# Altium PCB LED fix910 RD 2000278 (4F00224A_7P00494A).PcbDoc (part 2 of 3)
Units mm, origin at the board's own origin, x right, y up, seen from the top; angles counter-clockwise.
Board outline 400 x 428 mm, 2 copper layers (Top Layer, Bottom Layer); 462 components, 214 nets, 1551 pads, 0 vias.
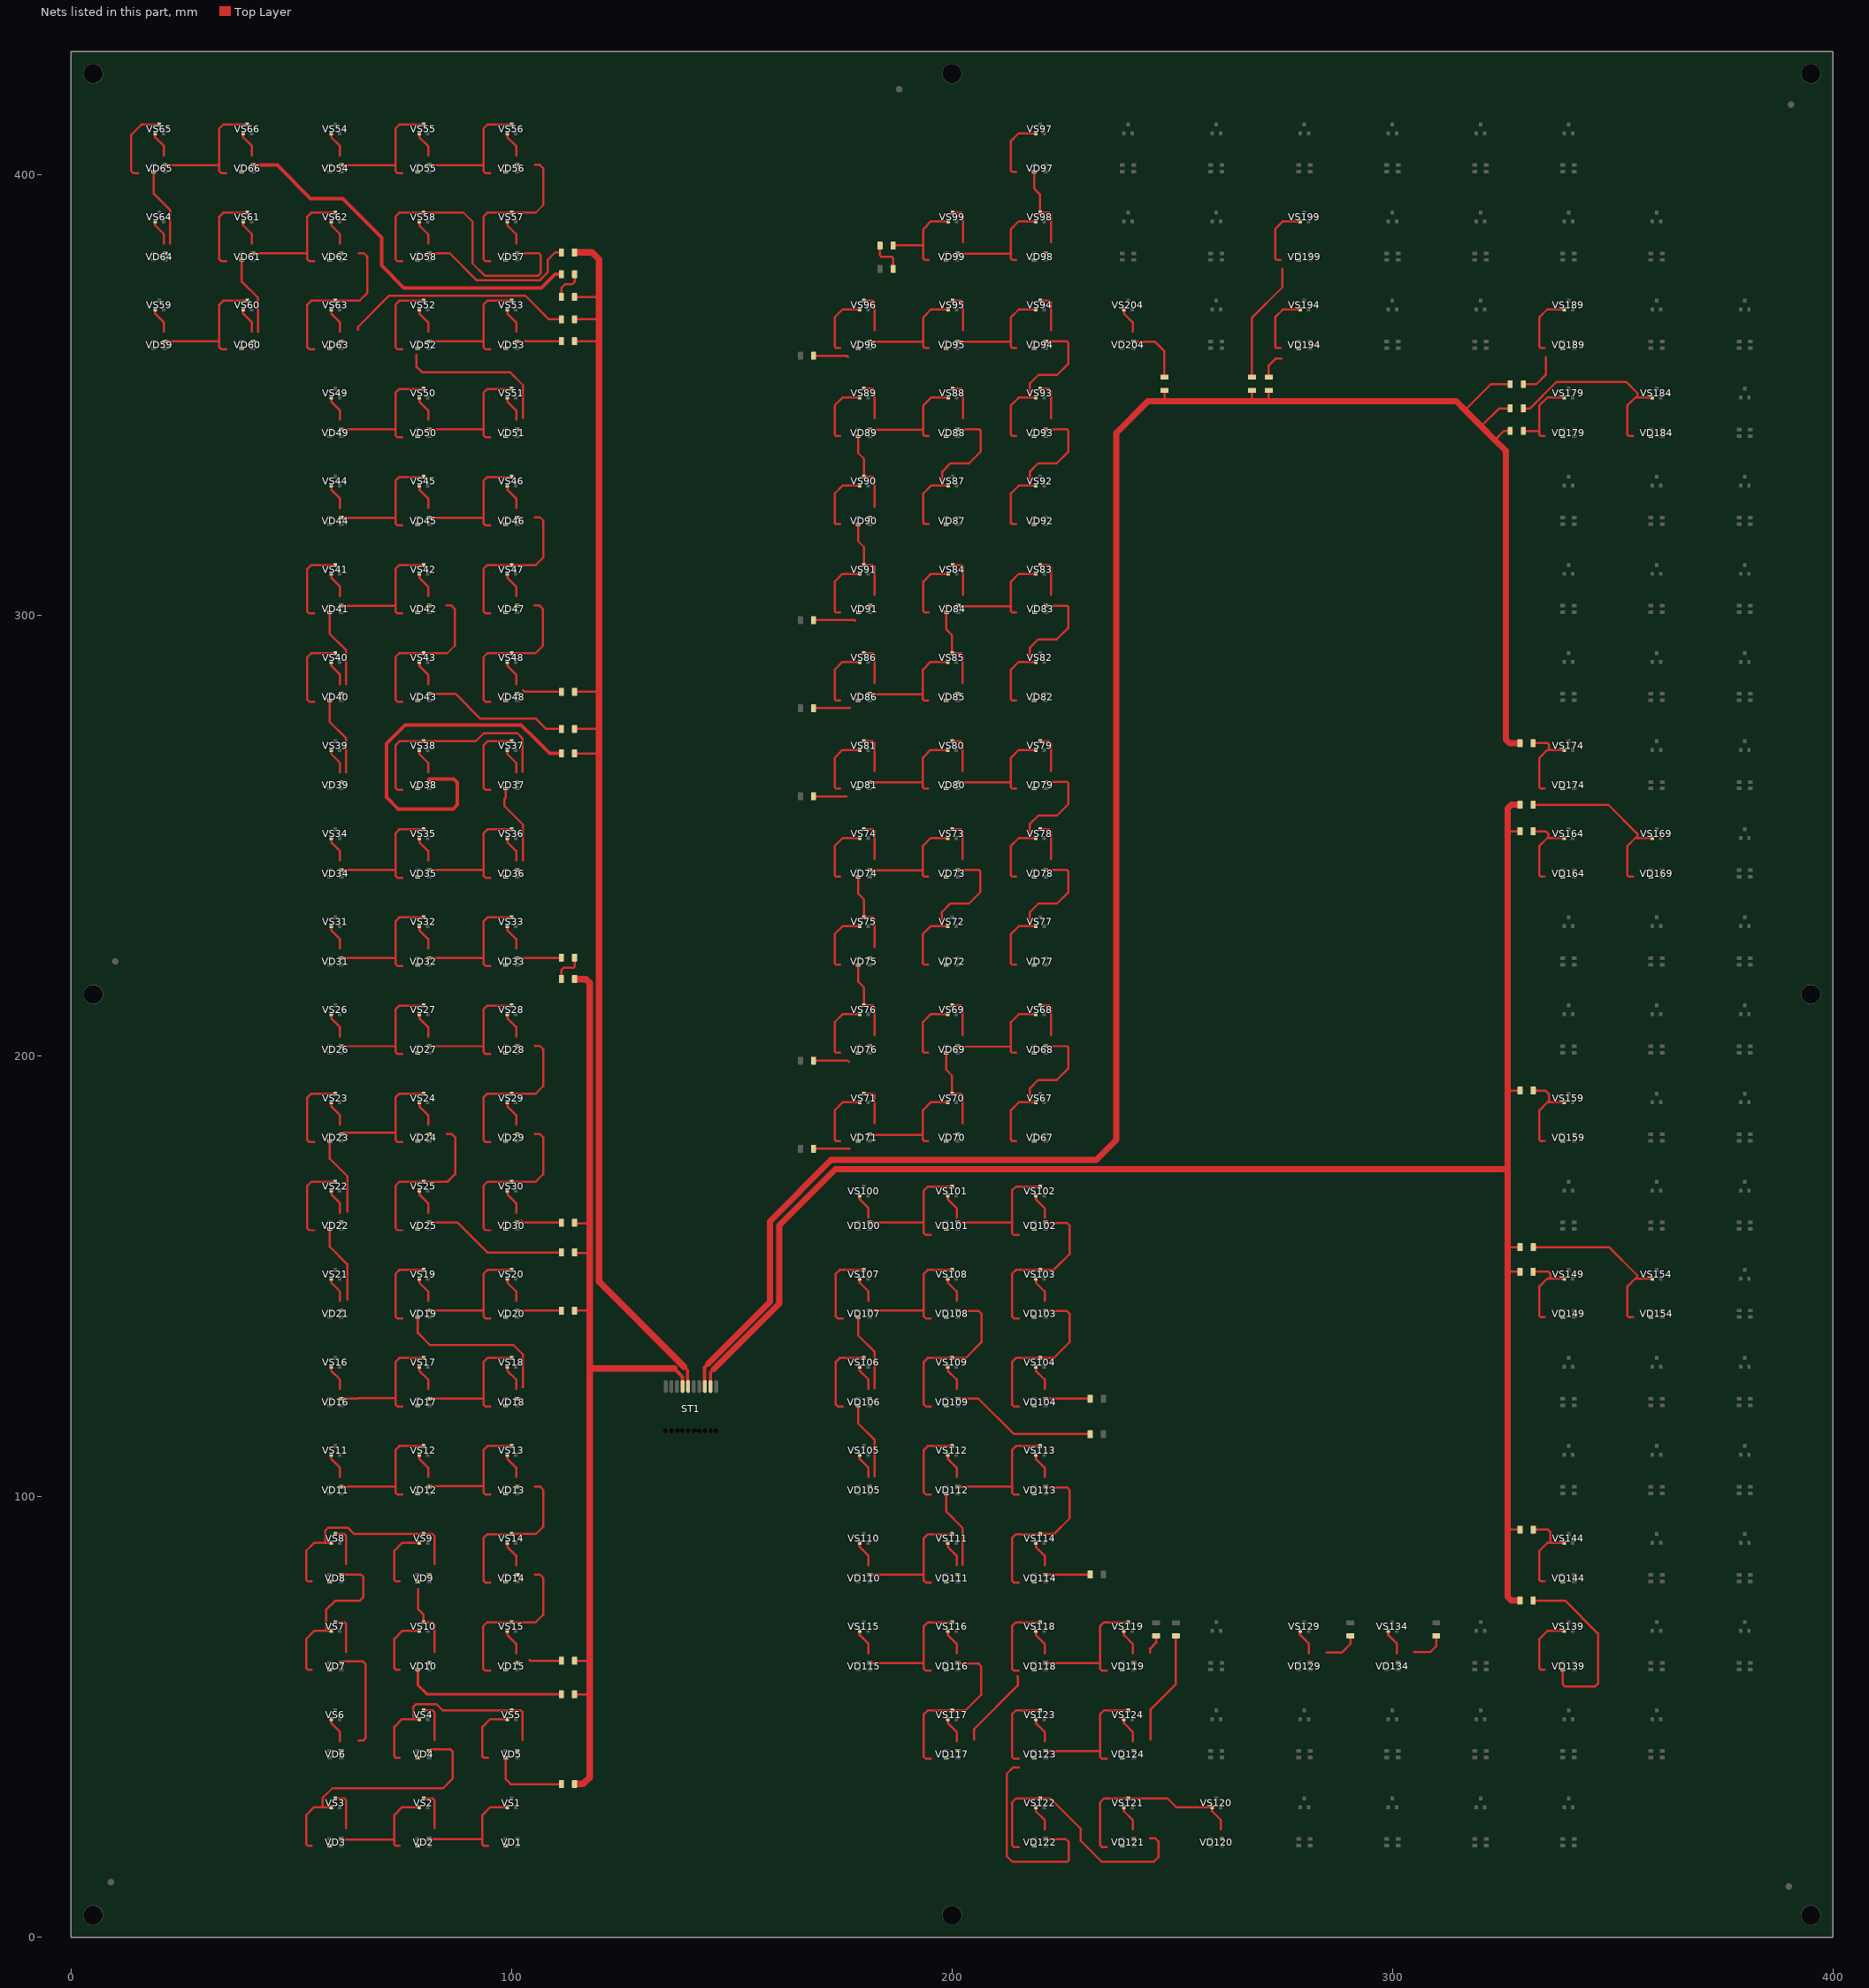
[diagram p2: the nets of this part, all layers, seen from the top]

## Nets (pads, with @x,y where several pads share a name; then routed paths per layer and width w, separated by ;. In a path a pad name is that pad's centre, name@x,y a point inside that pad or via, vN(x,y) a via of type N, cw(c..) or ccw(c..) an arc to the next point about the centre after c; other vN are vias at no path point) (continued)
C: R1.2 R2.2 R3.2 R4.2 R5.2 R6.2 R8.2 ST1.4 | length 229.2
  Top Layer w0.5: R2.2@114.3,55.1 117.575,55.1 117.7,54.975 ; R3.2@114.3,62.762 117.637,62.762 117.7,62.825 ; R4.2@114.3,142.225 117.55,142.225 117.7,142.375 ; R5.2@114.3,155.45 114.425,155.325 117.7,155.325 ; R6.2@114.3,162.2 114.475,162.025 117.7,162.025
  Top Layer w0.8: 136.95,129.05 138.81,127.19 ST1.4@138.81,125
  Top Layer w1.5: R1.2@114.475,34.775 116.257,34.775 117.7,36.218 117.7,54.975 117.7,62.825 117.7,129.05 ; R8.2@114.475,217.502 116.821,217.502 117.7,216.624 117.7,162.025 117.7,155.325 117.7,142.375 117.7,129.05 ; 136.95,129.05 117.7,129.05
D: R9.2 R10.2 R11.2 R12.2 R13.2 R14.2 R16.2 ST1.5 | length 304
  Top Layer w0.5: R9.2@114.3,268.7 119.875,268.7 119.9,268.725 ; R10.2@114.3,274.279 119.896,274.279 119.9,274.275 ; R11.2@114.3,282.707 119.682,282.707 119.9,282.925 ; R12.2@114.3,362.291 119.891,362.291 119.9,362.3 ; R14.2@114.3,367.275 119.85,367.275 119.9,367.325 ; R16.2@114.3,372.325 119.85,372.325 119.9,372.375
  Top Layer w0.75: 139.12,129.53 139.94,128.71 139.94,126.204 140.08,126.064 ST1.5@140.08,125
  Top Layer w1.5: R13.2@114.55,382.451 118.274,382.451 119.9,380.825 119.9,372.375 119.9,367.325 119.9,362.3 119.9,282.925 119.9,274.275 119.9,268.725 119.9,148.75 139.12,129.53
F: R32.2 R33.2 R34.2 R35.2 R36.2 R37.2 R38.2 ST1.9 | length 412.5
  Top Layer w0.5: 326.2,92.45 326.25,92.5 R33.2@328.975,92.5 ; 326.2,151.25 326.4,151.05 R34.2@328.97,151.05 ; 326.2,156.725 326.3,156.625 R35.2@328.975,156.625 ; 326.2,192.2 R36.2@328.975,192.2 ; 326.2,251.05 R37.2@328.97,251.05
  Top Layer w0.75: ST1.9@145.173,125.014 145.173,128.223 145.925,128.975
  Top Layer w1.4: 145.925,128.975 160.775,143.825 160.775,161.6 173.525,174.35 326.087,174.35 326.2,174.463 ; R32.2@328.725,76.411 327.02,76.411 326.2,77.231 326.2,92.45 326.2,151.25 326.2,156.725 326.2,174.463 ; R38.2@328.725,257.05 327.02,257.05 326.2,256.23 326.2,251.05 326.2,192.2 326.2,174.463
G: R39.2 R40.2 R41.2 R42.2 R43.2 R44.2 R45.2 ST1.8 | length 488.6
  Top Layer w0.5: R45.2@248.25,351.125 248.25,348.825 248.425,348.65 ; R44.2@268.1,351.125 268.1,348.675 268.125,348.65 ; R43.2@271.921,351.129 271.85,351.058 271.85,348.95 272.15,348.65 ; 316.475,346.675 322.328,352.528 R42.2@326.745,352.528 ; 320.163,342.987 324.224,347.049 R41.2@326.745,347.049 ; 323.287,339.863 325.325,341.9 R40.2@326.745,341.9
  Top Layer w0.8: ST1.8@143.89,125 143.89,126.05 143.775,126.165 143.775,129.35 144.575,130.15
  Top Layer w1.4: 144.575,130.15 158.625,144.2 158.625,162.525 172.55,176.45 232.8,176.45 237.275,180.925 237.275,341.45 244.475,348.65 248.425,348.65 268.125,348.65 272.15,348.65 314.5,348.65 316.475,346.675 320.163,342.987 323.287,339.863 325.75,337.4 325.75,271.845 326.57,271.025 R39.2@328.845,271.025
NetR1_1: R1.1 VD5.1 VS5.1 | length 32.2
  Top Layer w0.5: 94.6,40.75 93.668,40.75 93.375,41.043 93.375,47.725 95.15,49.5 VS5.1@99.05,49.5 ; VD5.1@98.7,40.75 98.7,35.825 99.787,34.738 R1.1@111.1,34.738
NetR2_1: R2.1 VD10.1 VS10.1 | length 51.2
  Top Layer w0.5: 74.6,60.75 73.668,60.75 73.375,61.043 73.375,67.725 75.15,69.5 VS10.1@79.05,69.5
  Top Layer w0.6: VD10.1@78.7,60.75 78.7,57.25 80.775,55.175 R2.1@111.151,55.175
NetR3_1: R3.1 VD15.1 VS15.1 | length 13.2
  Top Layer w0.5: VS15.1@99.05,69.5 99.05,68.575 101.05,66.575 101.05,64.45 ; 104.05,62.875 104.163,62.762 R3.1@111.3,62.762
NetR4_1: R4.1 VD20.1 VS20.1 | length 15.9
  Top Layer w0.5: VS20.1@99.05,149.5 99.05,148.575 101.05,146.575 101.05,144.45 ; VD20.1@101.3,142.25 R4.1@111.278,142.25
NetR5_1: R5.1 VD25.1 VS25.1 | length 38.7
  Top Layer w0.5: VS25.1@79.05,169.5 79.05,168.575 81.05,166.575 81.05,164.45 ; VD25.1@81.3,162.25 87.675,162.25 94.475,155.45 R5.1@111.3,155.45
NetR6_1: R6.1 VD30.1 VS30.1 | length 15.1
  Top Layer w0.5: VS30.1@99.05,169.5 99.05,168.575 101.05,166.575 101.05,164.45 ; 102.275,162.6 102.675,162.2 R6.1@111.3,162.2
NetR7_1: R7.1 VD33.1 VS33.1 | length 15.9
  Top Layer w0.5: VS33.1@99.05,229.5 99.05,228.575 101.05,226.575 101.05,224.45 ; VD33.1@101.3,222.25 111.178,222.25 R7.1@111.3,222.372
NetR7_2: R7.2 R8.1 | length 7.5
  Top Layer w0.5: R8.1@111.3,217.511 111.3,219.525 111.85,220.075 114.082,220.075 114.375,220.368 114.375,222.297 R7.2@114.3,222.372
NetR9_1: R9.1 VD38.1 VS38.1 | length 91.7
  Top Layer w0.5: VS38.1@79.05,269.5 79.05,268.575 81.05,266.575 81.05,264.45
  Top Layer w0.8: 81.2,262.925 86.9,262.925 87.7,262.125 87.7,257.1 86.725,256.125 74.225,256.125 71.575,258.775 71.575,270.925 75.85,275.2 102.125,275.2 105.325,272 108.625,268.7 R9.1@111.3,268.7
NetR10_1: R10.1 VD43.1 VS43.1 | length 39.2
  Top Layer w0.5: VS43.1@79.05,289.5 79.05,288.575 81.05,286.575 81.05,284.45 ; VD43.1@81.3,282.25 87.275,282.25 92.925,276.6 105.546,276.6 107.867,274.279 R10.1@111.3,274.279
NetR11_1: R11.1 VD48.1 VS48.1 | length 14.7
  Top Layer w0.5: VS48.1@99.05,289.5 99.05,288.575 101.05,286.575 101.05,284.45 ; 102.575,283.05 102.918,282.707 R11.1@111.3,282.707
NetR12_1: R12.1 VD53.1 VS53.1 | length 14.1
  Top Layer w0.5: VS53.1@99.05,369.503 99.05,368.578 101.05,366.578 101.05,364.453 ; 103.075,362.35 103.134,362.291 R12.1@111.3,362.291
NetR13_1: R13.1 VD58.1 VS58.1 | length 42.7
  Top Layer w0.5: VS58.1@79.05,389.5 79.05,388.575 81.05,386.575 81.05,384.45 ; VD58.1@81.3,382.253 85.922,382.253 92,376.175 106.45,376.175 108.175,377.9 108.175,380.725 109.901,382.451 R13.1@111.3,382.451
NetR14_1: R14.1 VD63.1 VS63.1 | length 57.9
  Top Layer w0.5: VS63.1@59.05,369.5 59.05,368.575 61.05,366.575 61.05,364.45 ; 65.125,364.875 65.125,365.575 72.2,372.65 103.075,372.65 108.45,367.275 R14.1@111.3,367.275
NetR15_1: R15.1 VD66.1 VS66.1 | length 92.4
  Top Layer w0.5: VS66.1@39.05,409.5 39.05,408.575 41.05,406.575 41.05,404.45
  Top Layer w0.8: VD66.1@41.3,402.253 46.822,402.253 54.375,394.7 61.65,394.7 70.5,385.85 70.5,379.45 75.55,374.4 106.75,374.4 109.825,377.475 R15.1@111.3,377.475
NetR15_2: R15.2 R16.1 | length 7.3
  Top Layer w0.5: R16.1@111.3,372.325 111.3,374.375 112.125,375.2 113.725,375.2 114.3,375.775 R15.2@114.3,377.475
NetR17_1: R17.1 VD71.1 VS71.1 | length 22.6
  Top Layer w0.5: R17.1@168.575,178.975 176.675,178.975 176.7,178.95 ; 174.6,180.75 173.668,180.75 173.375,181.043 173.375,187.725 175.15,189.5 VS71.1@179.05,189.5
NetR18_1: R18.1 VD76.1 VS76.1 | length 22.6
  Top Layer w0.5: R18.1@168.575,198.975 176.3,198.975 176.575,198.7 ; 174.6,200.75 173.668,200.75 173.375,201.043 173.375,207.725 175.15,209.5 VS76.1@179.05,209.5
NetR19_1: R19.1 VD81.1 VS81.1 | length 21.9
  Top Layer w0.5: R19.1@168.575,258.975 175.975,258.975 176,258.95 ; 174.6,260.75 173.668,260.75 173.375,261.043 173.375,267.725 175.15,269.5 VS81.1@179.05,269.5
NetR20_1: R20.1 VD86.1 VS86.1 | length 22.7
  Top Layer w0.5: R20.1@168.575,278.975 176.675,278.975 176.8,279.1 ; 174.6,280.75 173.668,280.75 173.375,281.043 173.375,287.725 175.15,289.5 VS86.1@179.05,289.5
NetR21_1: R21.1 VD91.1 VS91.1 | length 24
  Top Layer w0.5: R21.1@168.575,298.975 177.85,298.975 178.025,298.8 ; 174.6,300.75 173.668,300.75 173.375,301.043 173.375,307.725 175.15,309.5 VS91.1@179.05,309.5
NetR22_1: R22.1 VD96.1 VS96.1 | length 22.3
  Top Layer w0.5: R22.1@168.575,358.975 176.125,358.975 176.375,358.725 ; 174.6,360.75 173.668,360.75 173.375,361.043 173.375,367.725 175.15,369.5 VS96.1@179.05,369.5
NetR23_1: R23.1 VD99.1 VS99.1 | length 21.3
  Top Layer w0.5: R23.1@186.651,384.025 193.426,384.025 193.476,383.975 ; 194.701,380.75 193.768,380.75 193.476,381.043 193.476,383.975 ; VS99.1@199.15,389.5 195.25,389.5 193.476,387.725 193.476,383.975
NetR23_2: R23.2 R24.1 | length 8
  Top Layer w0.5: R23.2@183.651,384.025 183.651,381.743 183.944,381.45 186.358,381.45 186.651,381.157 R24.1@186.651,378.73
NetR25_1: R25.1 VD104.1 VS104.1 | length 16.2
  Top Layer w0.5: VS104.1@219.05,129.5 219.05,128.575 221.05,126.575 221.05,124.45 ; VD104.1@221.3,122.25 231.05,122.25 231.375,122.575 R25.1@231.375,122.725
NetR26_1: R26.1 VD109.1 VS109.1 | length 39.1
  Top Layer w0.5: VS109.1@199.05,129.5 199.05,128.575 201.05,126.575 201.05,124.45 ; VD109.1@201.3,122.25 206.025,122.25 214.075,114.2 R26.1@231.175,114.2
NetR27_1: R27.1 VD114.1 VS114.1 | length 16.4
  Top Layer w0.5: VS114.1@219.05,89.5 219.05,88.575 221.05,86.575 221.05,84.45 ; VD114.1@221.3,82.25 R27.1@231.375,82.25 ; R27.1@231.05,82.35 R27.1@231.375,82.675
NetR28_1: R28.1 VD119.1 VS119.1 | length 10.2
  Top Layer w0.5: VS119.1@239.05,69.5 239.05,68.575 241.05,66.575 241.05,64.45 ; 245.025,64.6 245.025,65.5 246.375,66.85 R28.1@246.375,68.375
NetR29_1: R29.1 VD124.1 VS124.1 | length 31.8
  Top Layer w0.5: VS124.1@239.05,49.5 239.05,48.575 241.05,46.575 241.05,44.45 ; 245.125,44.8 245.125,51.725 250.836,57.436 R29.1@250.836,68.375
NetR30_1: R30.1 VD129.1 VS129.1 | length 13.9
  Top Layer w0.5: VS129.1@279.05,69.5 279.05,68.575 281.05,66.575 281.05,64.45 ; 285.025,64.65 288.575,64.65 290.45,66.525 R30.1@290.45,68.375
NetR31_1: R31.1 VD134.1 VS134.1 | length 13.7
  Top Layer w0.5: VS134.1@299.05,69.5 299.05,68.575 301.05,66.575 301.05,64.45 ; 304.95,64.725 308.6,64.725 309.95,66.075 R31.1@309.95,68.375
NetR32_1: R32.1 VD139.1 VS139.1 | length 55.4
  Top Layer w0.5: R32.1@331.97,76.411 339.189,76.411 346.675,68.925 346.675,57.575 346.025,56.925 339.15,56.925 338.7,57.375 VD139.1@338.7,60.75 ; 334.6,60.75 333.668,60.75 333.375,61.043 333.375,67.725 335.15,69.5 VS139.1@339.05,69.5
NetR33_1: R33.1 VD144.1 VS144.1 | length 21
  Top Layer w0.5: R33.1@331.975,92.5 335.35,92.5 335.85,92 335.85,89.5 ; 334.6,80.75 333.668,80.75 333.375,81.043 333.375,87.725 335.15,89.5 335.85,89.5 ; VS144.1@339.05,89.5 335.85,89.5
NetR34_1: R34.1 VD149.1 VS149.1 | length 19.6
  Top Layer w0.5: R34.1@331.97,151.05 335.4,151.05 335.85,150.6 335.85,149.5 ; 334.6,140.75 333.668,140.75 333.375,141.043 333.375,147.725 335.15,149.5 335.85,149.5 ; VS149.1@339.05,149.5 335.85,149.5
NetR35_1: R35.1 VD154.1 VS154.1 | length 41.4
  Top Layer w0.5: R35.1@331.975,156.625 349.2,156.625 355.55,150.275 355.55,149.5 ; 354.6,140.75 353.668,140.75 353.375,141.043 353.375,147.725 355.15,149.5 355.55,149.5 ; VS154.1@359.05,149.5 355.55,149.5
NetR36_1: R36.1 VD159.1 VS159.1 | length 20.3
  Top Layer w0.5: R36.1@331.975,192.2 334.725,192.2 335.6,191.325 335.6,189.5 ; 334.6,180.75 333.668,180.75 333.375,181.043 333.375,187.725 335.15,189.5 335.6,189.5 ; VS159.1@339.05,189.5 335.6,189.5
NetR37_1: R37.1 VD164.1 VS164.1 | length 19.1
  Top Layer w0.5: R37.1@331.97,251.05 334.775,251.05 335.5,250.325 335.5,249.5 ; 334.6,240.75 333.668,240.75 333.375,241.043 333.375,247.725 335.15,249.5 335.5,249.5 ; VS164.1@339.05,249.5 335.5,249.5
NetR38_1: R38.1 VD169.1 VS169.1 | length 41.8
  Top Layer w0.5: R38.1@331.97,257.053 349.022,257.053 355.6,250.475 355.6,249.5 ; 354.6,240.75 353.668,240.75 353.375,241.043 353.375,247.725 355.15,249.5 355.6,249.5 ; VS169.1@359.05,249.5 355.6,249.5
NetR39_1: R39.1 VD174.1 VS174.1 | length 19.4
  Top Layer w0.5: R39.1@331.97,271.05 335.225,271.05 335.55,270.725 335.55,269.525 335.525,269.5 ; 334.6,260.75 333.668,260.75 333.375,261.043 333.375,267.725 335.15,269.5 335.525,269.5 ; VS174.1@339.05,269.5 335.525,269.5
NetR40_1: R40.1 VD179.1 VS179.1 | length 18.1
  Top Layer w0.5: R40.1@329.745,341.9 333.35,341.9 333.375,341.925 ; 334.6,340.75 333.668,340.75 333.375,341.043 333.375,341.925 ; VS179.1@339.05,349.5 335.15,349.5 333.375,347.725 333.375,341.925
NetR41_1: R41.1 VD184.1 VS184.1 | length 44.9
  Top Layer w0.5: R41.1@329.745,347.049 331.274,347.049 337.275,353.05 353.05,353.05 355.675,350.425 355.675,349.5 ; 354.6,340.75 353.668,340.75 353.375,341.043 353.375,347.725 355.15,349.5 355.675,349.5 ; VS184.1@359.05,349.5 355.675,349.5
NetR42_1: R42.1 VD189.1 VS189.1 | length 24.4
  Top Layer w0.5: R42.1@329.745,352.528 332.678,352.528 334.825,354.675 334.825,358.65 334.85,358.675 ; 334.6,360.75 333.668,360.75 333.375,361.043 333.375,367.725 335.15,369.5 VS189.1@339.05,369.5
NetR43_1: R43.1 VD194.1 VS194.1 | length 20.7
  Top Layer w0.5: R43.1@271.921,354.129 271.921,356.837 273.42,358.336 274.761,358.336 274.8,358.375 ; 274.6,360.75 273.668,360.75 273.375,361.043 273.375,367.725 275.15,369.5 VS194.1@279.05,369.5
NetR44_1: R44.1 VD199.1 VS199.1 | length 41.7
  Top Layer w0.5: R44.1@268.05,354.235 268.05,367.575 275,374.525 275,378.6 ; 274.6,380.75 273.668,380.75 273.375,381.043 273.375,387.725 275.15,389.5 VS199.1@279.05,389.5
NetR45_1: R45.1 VD204.1 VS204.1 | length 19.7
  Top Layer w0.5: VS204.1@239.05,369.5 239.05,368.575 241.05,366.575 241.05,364.45 ; VD204.1@241.3,362.25 241.35,362.2 246.075,362.2 248.225,360.05 R45.1@248.225,354.037
NetVD1_1: VD1.1 VD2.2 VS1.1 VS2.3 | length 35.5
  Top Layer w0.5: VS2.3@80,31.5 82.025,31.5 82.45,31.075 82.45,24.75 ; VD2.2@81.3,22.25 93.275,22.25 93.375,22.15 ; 94.6,20.75 93.668,20.75 93.375,21.043 93.375,22.15 ; VS1.1@99.05,29.5 95.15,29.5 93.375,27.725 93.375,22.15
NetVD2_1: VD2.1 VD3.2 VS2.1 VS3.3 | length 35.5
  Top Layer w0.5: VS3.3@60,31.5 62.025,31.5 62.45,31.075 62.45,24.75 ; VD3.2@61.3,22.25 61.4,22.15 73.375,22.15 ; 74.6,20.75 73.668,20.75 73.375,21.043 73.375,22.15 ; VS2.1@79.05,29.5 75.15,29.5 73.375,27.725 73.375,22.15
NetVD3_1: VD3.1 VD4.2 VS3.1 VS4.3 | length 68.7
  Top Layer w0.5: 54.6,20.75 53.668,20.75 53.375,21.043 53.375,27.725 55.15,29.5 57.1,29.5 ; VS3.1@59.05,29.5 57.1,29.5 ; VS4.3@80,51.5 82.025,51.5 82.45,51.075 82.45,44.75 ; VD4.2@81.3,42.25 81.45,42.25 81.875,42.675 86.05,42.675 86.65,42.075 86.65,36.025 84.425,33.8 59.3,33.8 57.1,31.6 57.1,29.5
NetVD4_1: VD4.1 VD5.2 VS4.1 VS5.3 | length 49.3
  Top Layer w0.5: 74.6,40.75 73.668,40.75 73.375,41.043 73.375,47.725 75.15,49.5 77.65,49.5 ; VS4.1@79.05,49.5 77.65,49.5 ; 102.45,44.75 102.45,51.075 102.025,51.5 VS5.3@100,51.5 84.3,51.5 82.9,52.9 78.3,52.9 77.65,52.25 77.65,49.5
NetVD6_1: VD6.1 VD7.2 VS6.1 VS7.3 | length 38.5
  Top Layer w0.5: VS6.1@59.05,49.5 59.05,48.575 61.05,46.575 61.05,44.45 ; VS7.3@60,71.5 62.025,71.5 62.45,71.075 62.45,64.75 ; 62.025,62.625 66.15,62.625 66.85,61.925 66.85,45.225 66.25,44.625 65.2,44.625
NetVD7_1: VD7.1 VD8.2 VS7.1 VS8.3 | length 47.7
  Top Layer w0.5: 54.6,60.75 53.668,60.75 53.375,61.043 53.375,67.725 55.15,69.5 57.875,69.5 ; VS7.1@59.05,69.5 57.875,69.5 ; VS8.3@60,91.5 62.025,91.5 62.45,91.075 62.45,84.75 ; VD8.2@61.3,82.25 65.875,82.25 66.375,81.75 66.375,77.225 65.5,76.35 59.95,76.35 57.875,74.275 57.875,69.5
NetVD8_1: VD8.1 VD9.2 VS8.1 VS9.3 | length 49.3
  Top Layer w0.5: 54.6,80.75 53.668,80.75 53.375,81.043 53.375,87.725 55.15,89.5 57.65,89.5 ; VS8.1@59.05,89.5 57.65,89.5 ; 82.45,84.75 82.45,91.075 82.025,91.5 VS9.3@80,91.5 64.3,91.5 62.9,92.9 58.3,92.9 57.65,92.25 57.65,89.5
NetVD9_1: VD9.1 VD10.2 VS9.1 VS10.3 | length 31.3
  Top Layer w0.5: 74.6,80.75 73.668,80.75 73.375,81.043 73.375,87.725 75.15,89.5 VS9.1@79.05,89.5 ; 78.8,78.95 78.8,74.4 80,73.2 VS10.3@80,71.5 82.025,71.5 82.45,71.075 82.45,64.75
NetVD11_1: VD11.1 VD12.2 VS11.1 VS12.3 | length 36.4
  Top Layer w0.5: VS11.1@59.05,109.5 59.05,108.575 61.05,106.575 61.05,104.45 ; VD11.1@61.3,102.25 73.387,102.25 73.612,102.475 ; 75.187,100.475 74.062,100.475 73.612,100.925 73.612,102.475 ; VS12.3@79.912,111.475 74.512,111.475 73.612,110.575 73.612,102.475
NetVD12_1: VD12.1 VD13.2 VS12.1 VS13.3 | length 36.3
  Top Layer w0.5: VS12.1@79.05,109.5 79.05,108.575 81.05,106.575 81.05,104.45 ; VD12.1@81.3,102.25 81.45,102.4 93.612,102.4 ; 95.187,100.475 94.062,100.475 93.612,100.925 93.612,102.4 ; VS13.3@99.912,111.475 94.512,111.475 93.612,110.575 93.612,102.4
NetVD13_1: VD13.1 VD14.2 VS13.1 VS14.3 | length 42.4
  Top Layer w0.5: 95.187,80.475 94.062,80.475 93.612,80.925 93.612,90.575 94.512,91.475 VS14.3@99.912,91.475 ; VS13.1@99.05,109.5 99.05,108.575 101.05,106.575 101.05,104.45 ; VS14.3@100,91.5 105.5,91.5 107.2,93.2 107.2,101.525 106.425,102.3 105.325,102.3
NetVD14_1: VD14.1 VD15.2 VS14.1 VS15.3 | length 42.5
  Top Layer w0.5: 95.125,60.475 94,60.475 93.55,60.925 93.55,70.575 94.45,71.475 99.85,71.475 99.875,71.5 VS15.3@100,71.5 105.5,71.5 107.2,73.2 107.2,81.525 106.425,82.3 105.325,82.3 ; VS14.1@99.05,89.5 99.05,88.575 101.05,86.575 101.05,84.45
NetVD16_1: VD16.1 VD17.2 VS16.1 VS17.3 | length 36.4
  Top Layer w0.5: VS16.1@59.05,129.5 59.05,128.575 61.05,126.575 61.05,124.45 ; VD16.1@61.3,122.25 65.075,122.25 65.225,122.4 73.487,122.4 73.612,122.525 ; 75.187,120.475 74.062,120.475 73.612,120.925 73.612,122.525 ; VS17.3@79.912,131.475 74.512,131.475 73.612,130.575 73.612,122.525
NetVD17_1: VD17.1 VD18.2 VS17.1 VS18.3 | length 36.3
  Top Layer w0.5: VS17.1@79.05,129.5 79.05,128.575 81.05,126.575 81.05,124.45 ; VD17.1@81.3,122.25 93.462,122.25 93.612,122.4 ; 95.187,120.475 94.062,120.475 93.612,120.925 93.612,122.4 ; VS18.3@99.912,131.475 94.512,131.475 93.612,130.575 93.612,122.4
NetVD18_1: VD18.1 VD19.2 VS18.1 VS19.3 | length 60.9
  Top Layer w0.5: 75.187,140.475 74.062,140.475 73.612,140.925 73.612,150.575 74.512,151.475 VS19.3@79.912,151.475 ; VD19.2@78.7,140.75 78.7,137.15 81.425,134.425 100.4,134.425 102.625,132.2 102.625,124.95 102.525,124.85 ; VS18.1@99.05,129.5 99.05,128.575 101.05,126.575 101.05,124.45
NetVD19_1: VD19.1 VD20.2 VS19.1 VS20.3 | length 36.3
  Top Layer w0.5: VS19.1@79.05,149.5 79.05,148.575 81.05,146.575 81.05,144.45 ; VD19.1@81.3,142.25 93.562,142.25 93.612,142.2 ; 95.187,140.475 94.062,140.475 93.612,140.925 93.612,142.2 ; VS20.3@99.912,151.475 94.512,151.475 93.612,150.575 93.612,142.2
NetVD21_1: VD21.1 VD22.2 VS21.1 VS22.3 | length 41.7